# Altium PCB Localization.PcbDoc (continued)
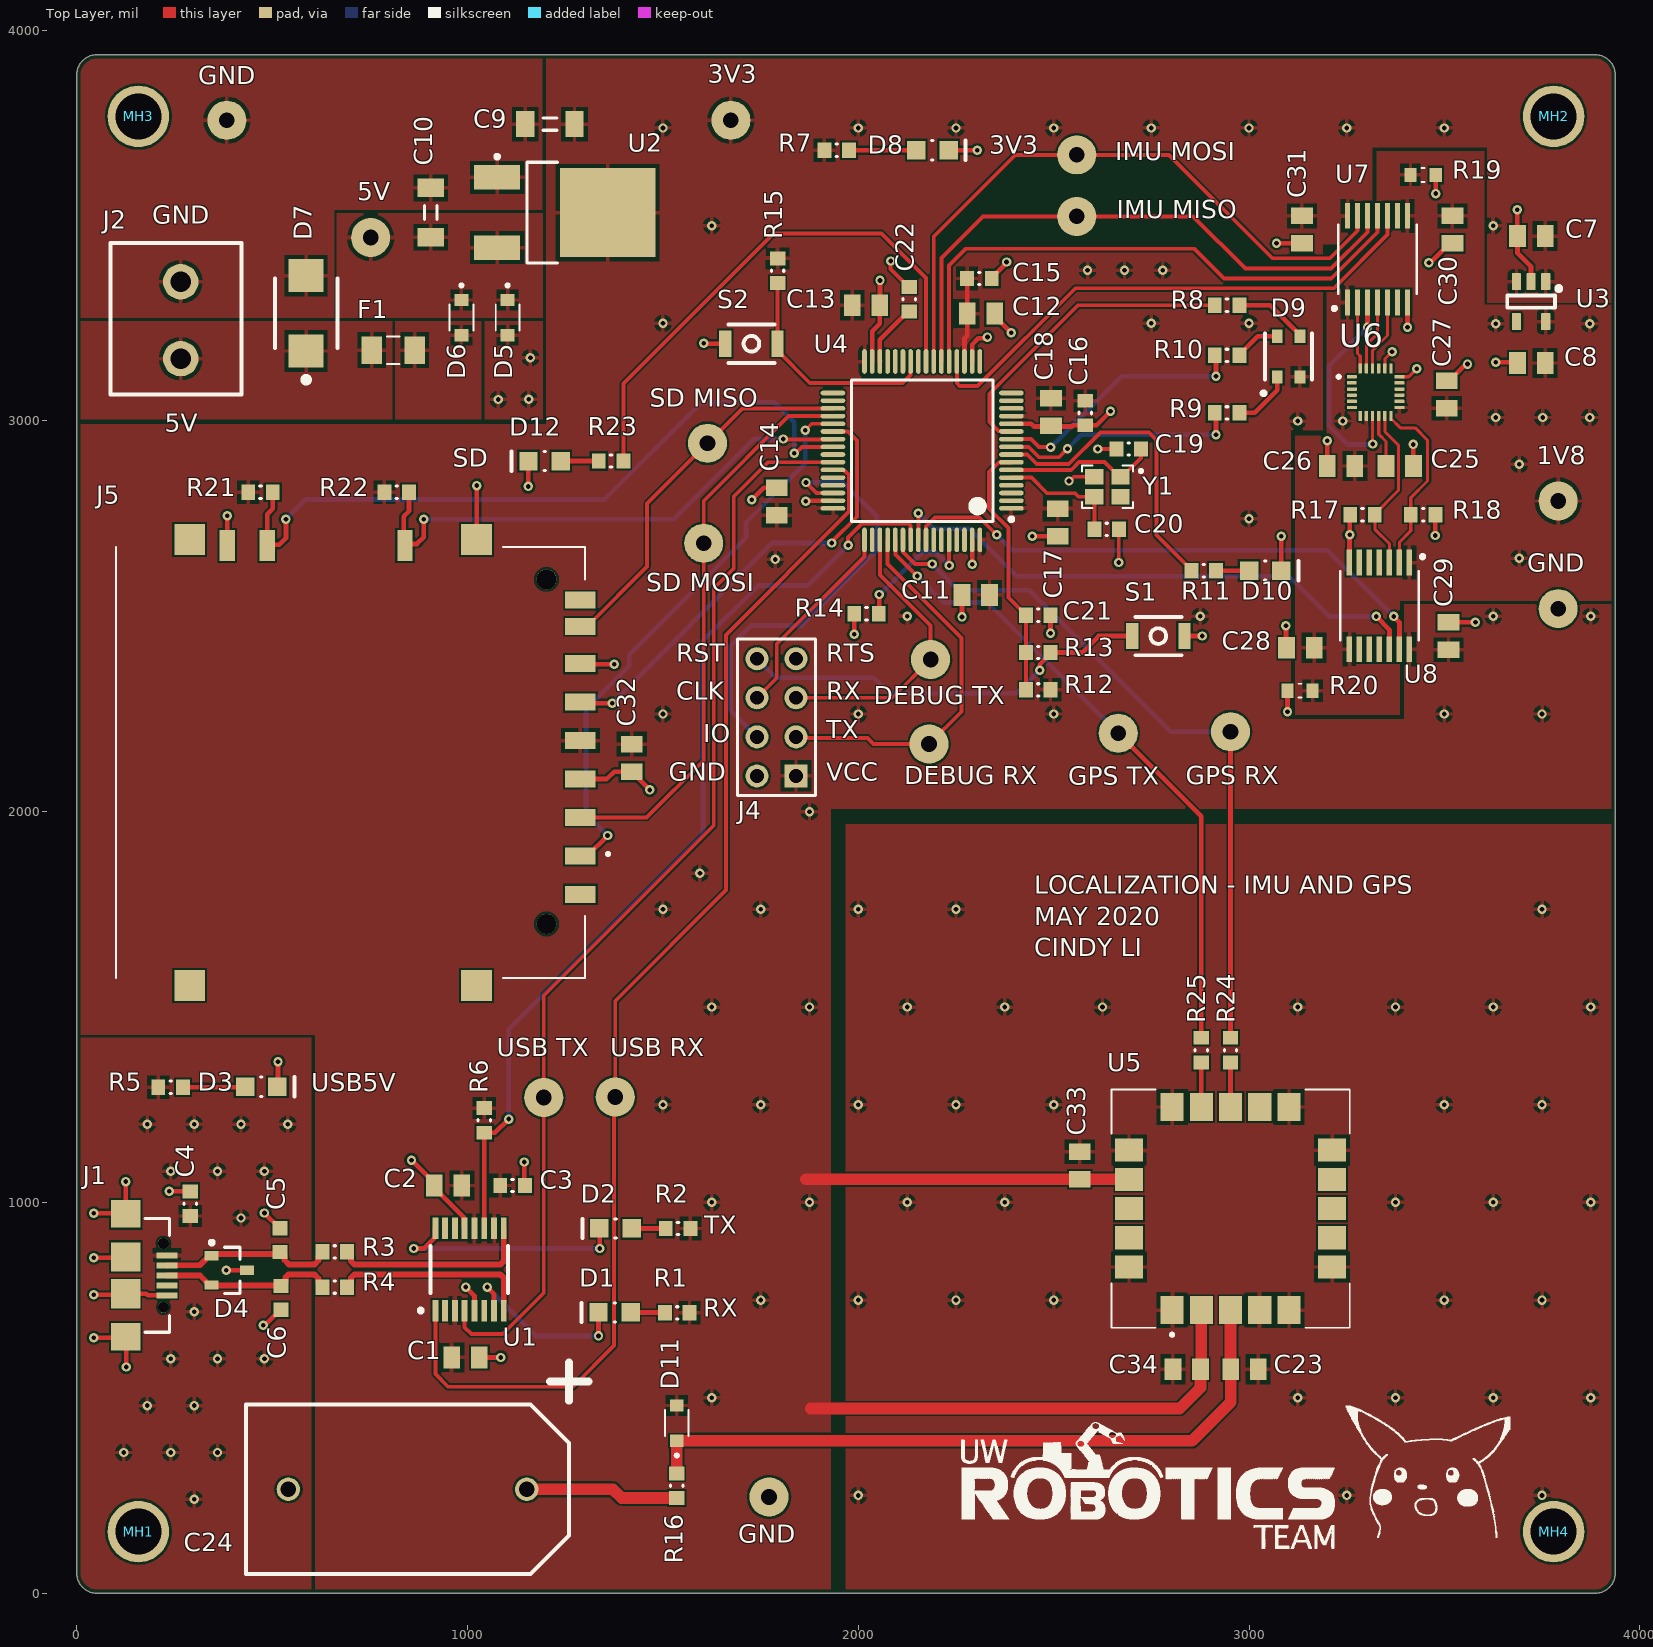
[diagram p0: Top Layer view]
## Footprints (in the part's own frame and the unit in brackets; to place one, negate y for a bottom-side part, rotate by r counter-clockwise, add the part's x,y. Pads: shape width x height; smd on the part's side, far side on the other; paste and mask are expansions set on the pad)
1935161 [mm]
  round 2.3 hole 1.325: 1(-2.5,0) 2(2.5,0)
  silkscreen extent -5.01,-4.57 4.83,3.94, body extent -5.01,-5.06 5.39,3.94, height 11.41
629105136821 [mm] "Micro USB 2.0 SMT Type B Horizontal 5 Contacts"
  rect 0.4x1.35 smd mask+0.102: 1(-1.3,2.675)
  rect 0.4x1.35 smd: 2(-0.65,2.675) 3(0,2.675) 4(0.65,2.675) 5(1.3,2.675)
  round 0.7 hole 0.7 unplated: MH1(-2.075,2.45) MH2(2.075,2.45)
  rect 1.8x1.9 smd: Shell(-4,0) Shell(4,0)
  rect 1.9x1.9 smd: Shell(-1.2,0) Shell(1.2,0)
  silkscreen extent -3.7,1.25 3.7,2.85, body extent -4,-2.73 4,3.17, height 2.69
B3U-1100P [mm] "TACTILE SWITCH GREY"
  rect 0.8x1.7 smd: 1(-1.7,0) 2(1.7,0)
  silkscreen extent -1.5,-1.25 1.5,1.25, body extent -2,-1.25 2,1.25, height 1.6
CAPC0603(1608)55_N [mm] "Chip Capacitor, Body 1.6x0.8mm, Height 0.55mm, IPC Medium Density"
  rect 0.9x1 smd: 1(-0.8,0) 2(0.8,0)
  silkscreen extent -0.05,-0.4 0.05,0.4, body extent -0.87,-0.48 0.88,0.47, height 0.55
CAPC1206(3216) [mm] "Chip Capacitor, Body 3.2x1.6mm, Height 0.55mm, IPC Medium Density"
  rect 1.2x1.7 smd: 1(-1.6,0) 2(1.6,0)
  silkscreen extent -0.45,-0.4 0.45,0.4, body extent -1.6,-0.85 1.6,0.85, height 1.75
CAPC1608X87N [mm]
  rect 0.92x0.97 smd: 1(-0.775,0) 2(0.775,0)
  body extent -0.8,-0.44 0.8,0.43, height 0.79
CAPC2012X140N [mm]
  rect 1.08x1.42 smd: 1(-0.895,0) 2(0.895,0)
  body extent -1,-0.62 1,0.62, height 1.4
DIO_CUS520,H3F [mm]
  rect 0.8x0.9 smd: 1(1.15,0) 2(-1.15,0)
  silkscreen extent -2.2,-0.77 0.85,0.77, body extent -1.25,-0.62 1.25,0.63, height 1.15
FUSC3215X78N [mm]
  rect 1.32x1.8 smd: 1(-1.395,0) 2(1.395,0)
  silkscreen extent -0.41,-0.89 0.41,0.89, body extent -1.7,-0.89 1.7,0.89, height 0.79
HEADER_2X4 [mm]
  rect 1.5x1.5 hole 0.9: 1(0,0)
  round 1.5 hole 0.9: 2(2.54,0) 3(5.08,0) 4(7.62,0) 5(0,2.54) 6(2.54,2.54) 7(5.08,2.54) 8(7.62,2.54)
  silkscreen extent -1.27,-1.27 8.89,3.81, body extent -1.36,-1.32 8.8,3.67, height 8.54
HRS_DM1AA-SF-PEJ(21) [mm]
  rect 1.1x2 smd: 1(6.875,14.95) 2(4.375,14.95) 3(1.875,14.95) 4(-0.625,14.95) 5(-3.125,14.95) 6(-5.625,14.95) 7(-8.05,14.95) 8(-9.75,14.95) 9(9.375,14.95)
  rect 2x1 smd: 10(-13.3,3.55) 11(-13.3,-5.4) 12(-13.3,-8)
  rect 2x2 smd: 13(-13.7,8.2) 14(-13.7,-10.45) 15(15.3,-10.45) 16(15.3,8.2)
  round 1.3 hole 1.3 unplated: ""(-11.1,12.75) ""(11.3,12.75)
  silkscreen extent -13.2,-15.25 14.8,16.85, body extent -14.2,-15.25 15.8,15.25, height 2.9
ICM-20948 [mm] "24-QFN"
  rrect25% 0.64x0.22 smd: 1(-1.55,0.6) 1(-1.545,-1) 1(-1.545,-0.6) 1(-1.545,-0.2) 1(-1.545,0.2) 1(-1.545,1) 1(1.545,-0.6) 1(1.545,-0.2) 1(1.545,0.2) 1(1.545,0.6) 13(1.545,-1) 18(1.545,1)
  rrect25% 0.22x0.64 smd: 7(-1,-1.545) 8(-0.6,-1.545) 9(-0.2,-1.545) 10(0.2,-1.545) 11(0.6,-1.545) 12(1,-1.545) 19(1,1.545) 20(0.6,1.545) 21(0.2,1.545) 22(-0.2,1.545) 23(-0.6,1.545) 24(-1,1.545)
  silkscreen extent -2.5,0.9 -2.3,1.1, body extent -1.5,-1.5 1.5,1.5, height 1.06
LED_0805_LINE [mm] "SMD, 2-Leads, Body 2x1.25mm"
  rect 1.2x1.2 smd: 1(-1.05,0) 2(1.05,0)
  silkscreen extent -0.05,-0.63 2.16,0.64, body extent -1,-0.63 1,0.63, height 0.8
LED_RGB [mm]
  rect 0.7x0.86 smd: 1(-0.737,-1.325) 2(-0.737,1.325) 3(0.738,1.325) 4(0.738,-1.325)
  silkscreen extent -1.75,-2.51 1.53,1.5, body extent -1.4,-1.75 1.4,1.75, height 1.89
LP5907MFX-1.8/NOPB [mm]
  rrect15% 1.1x0.6 smd: 1(-1.3,0.95) 2(-1.3,0) 3(-1.3,-0.95) 4(1.3,-0.95) 5(1.3,0.95)
  silkscreen extent -0.99,-1.55 0.4,1.94, body extent -1.4,-1.45 1.4,1.45, height 1.2
MOUNTING_HOLE#1 [mm]
  round 4 hole 3 unplated: 0(0,0)
MOUNTING_HOLE#2 [mm]
  round 4 hole 3 unplated: 0(-1,-1)
PW14 [mil]
  rect 66x14 smd: 1(-111,76.77) 2(-111,51.18) 3(-111,25.59) 4(-111,0) 5(-111,-25.59) 6(-111,-51.18) 7(-111,-76.77) 8(111,-76.77) 9(111,-51.18) 10(111,-25.59) 11(111,0) 12(111,25.59) 13(111,51.18) 14(111,76.77)
  silkscreen extent -130,-100 88,115, body extent -126,-98 126,98, height 44
RESC0603(1608)_N#1 [mm] "Chip Resistor, Body 1.6x0.8mm, IPC Medium Density"
  rect 0.9x1 smd: 1(-0.8,0) 2(0.8,0)
  silkscreen extent -0.05,-0.4 0.05,0.4, body extent -0.85,-0.47 0.85,0.47, height 0.6
RESC0603(1608)_N#2 [mm] "Chip Resistor, Body 1.6x0.8mm, IPC Medium Density"
  rect 0.9x1 smd: 1(0,0) 2(1.6,0)
  silkscreen extent 0.75,-0.4 0.85,0.4, body extent -0.05,-0.47 1.65,0.47, height 0.6
RESC1608X55N [mm]
  rect 0.79x0.93 smd: 1(-0.82,0) 2(0.82,0)
  silkscreen extent -0.11,-0.45 0.11,0.45, body extent -0.8,-0.4 0.8,0.4, height 0.55
SCMS22C255PRBA0 [mil]
  round 60 hole 39.37: 1(-305.12,0) 2(305.12,0)
  silkscreen extent -463,-325 413,217, body extent -394,-197 394,197, height 866
SOIC254P1016X440-4N [mm]
  rect 1.2x1 smd: 1(-0.85,-0.65) 2(0.85,-0.65) 3(0.85,0.65) 4(-0.85,0.65)
  silkscreen extent -2.27,-1.37 1.65,1.37, body extent -1.24,-0.85 1.24,0.85, height 0.56
SOT23-3 [mm] "SOT23, 3-Leads, Body 2.90x2.30mm, Pitch 0.95mm, IPC Medium Density"
  rect 0.9x0.6 smd: 1(-1.15,0.95) 2(-1.15,-0.95) 3(1.15,0)
  silkscreen extent -1.27,-1.5 0.7,1.92, body extent -1.3,-1.5 1.3,1.5, height 1.1
SSOP16-0.635-5X4MM [mil]
  rect 15x55 smd: 1(-87.5,-105) 2(-62.5,-105) 3(-37.5,-105) 4(-12.5,-105) 5(12.5,-105) 6(37.5,-105) 7(62.5,-105) 8(87.5,-105) 9(87.5,105) 10(62.5,105) 11(37.5,105) 12(12.5,105) 13(-12.5,105) 14(-37.5,105) 15(-62.5,105) 16(-87.5,105)
  silkscreen extent -130,-110 98,60, body extent -99,-122 98,122, height 69
STM-LQFP64_L [mm] "QFP, 64-Leads, Body 10x10mm, Pitch 0.5mm, IPC High Density"
  oval 1.6x0.3 smd: 1(-5.8,3.75) 2(-5.8,3.25) 3(-5.8,2.75) 4(-5.8,2.25) 5(-5.8,1.75) 6(-5.8,1.25) 7(-5.8,0.75) 8(-5.8,0.25) 9(-5.8,-0.25) 10(-5.8,-0.75) 11(-5.8,-1.25) 12(-5.8,-1.75) 13(-5.8,-2.25) 14(-5.8,-2.75) 15(-5.8,-3.25) 16(-5.8,-3.75) 33(5.8,-3.75) 34(5.8,-3.25) 35(5.8,-2.75) 36(5.8,-2.25) 37(5.8,-1.75) 38(5.8,-1.25) 39(5.8,-0.75) 40(5.8,-0.25) 41(5.8,0.25) 42(5.8,0.75) 43(5.8,1.25) 44(5.8,1.75) 45(5.8,2.25) 46(5.8,2.75) 47(5.8,3.25) 48(5.8,3.75)
  oval 0.3x1.6 smd: 17(-3.75,-5.8) 18(-3.25,-5.8) 19(-2.75,-5.8) 20(-2.25,-5.8) 21(-1.75,-5.8) 22(-1.25,-5.8) 23(-0.75,-5.8) 24(-0.25,-5.8) 25(0.25,-5.8) 26(0.75,-5.8) 27(1.25,-5.8) 28(1.75,-5.8) 29(2.25,-5.8) 30(2.75,-5.8) 31(3.25,-5.8) 32(3.75,-5.8) 49(3.75,5.8) 50(3.25,5.8) 51(2.75,5.8) 52(2.25,5.8) 53(1.75,5.8) 54(1.25,5.8) 55(0.75,5.8) 56(0.25,5.8) 57(-0.25,5.8) 58(-0.75,5.8) 59(-1.25,5.8) 60(-1.75,5.8) 61(-2.25,5.8) 62(-2.75,5.8) 63(-3.25,5.8) 64(-3.75,5.8)
  silkscreen extent -5.93,-4.6 4.6,4.6, body extent -5,-5 5,5, height 1.6
TESTPOINT_LOOP [mm]
  round 2.54 hole 1.02: 1(0,0)
  body extent -1.27,-1.27 1.27,1.27, height 4.57
TVS_DIODE_BIDIRECTIONAL [mm]
  rect 2.16x2.26 smd: 1(-2.45,0) 2(2.45,0)
  silkscreen extent -4.5,-2.03 2.25,2.03, body extent -2.7,-1.8 2.7,1.8, height 2.27
VOLTAGE_REGULATOR [mm] "DPAK, 3-Leads, Body 6.095x6.54mm, Pitch 4.57mm"
  rect 1.6x3 smd: 1(-2.285,-2.79) 3(2.285,-2.79)
  rect 5.8x6.2 smd: 2(0,4.39)
  silkscreen extent -3.76,-2.91 3.27,1.14, body extent -3.27,-0.84 3.27,5.25, height 2.38
XCVR_SAM-M8Q [mm]
  rect 1.8x1.5 smd paste-2: 1(-6.6,3.8) 2(-6.6,1.9) 3(-6.6,0) 4(-6.6,-1.9) 5(-6.6,-3.8) 11(6.6,-3.8) 12(6.6,-1.9) 13(6.6,0) 14(6.6,1.9) 15(6.6,3.8)
  rect 1.5x1.8 smd paste-2: 6(-3.8,-6.6) 7(-1.9,-6.6) 8(0,-6.6) 9(1.9,-6.6) 10(3.8,-6.6) 16(3.8,6.6) 17(1.9,6.6) 18(0,6.6) 19(-1.9,6.6) 20(-3.8,6.6)
  silkscreen extent -8.3,-7.75 7.75,7.75, body extent -7.75,-7.75 7.75,7.75, height 6.41

## Part data
1V8 3V3 5V "DEBUG RX" "DEBUG TX" GND GND GND "GPS RX" "GPS TX" "IMU MISO" "IMU MOSI" "SD MISO" "SD MOSI" "USB RX" "USB TX": library part TESTPOINT_LOOP, "Loop testpoint through-hole pad", Manufacturer 1="Keystone Electronics", Manufacturer Part Number 1=5002, Supplier Part Number 1=36-5002-ND, Mount="Through Hole", Supplier 1=Digi-Key
C1 C2 C7 C8 C11 C12 C13 C14 C17 C18 C23 C25 C26 C27 C28 C29 C30 C31 C32 C33 C34: "CAP CER 0.1UF 50V X7R 0805", Capacitance=100nF, Case Code (Imperial)=0805, Case Code (Metric)=2012, Dielectric=X7R, Manufacturer 1="Murata Electronics", Manufacturer Part Number 1=GCD21BR71H104KA01L, Max Operating Temperature=125°C, Min Operating Temperature=-55°C, Ratings=AEC-Q200, Supplier Part Number 1=490-11955-1-ND, Tolerance=10%, Voltage Rating=50V, Case/Package=0805, ComponentLink1Description=https://datasheet.ciiva.com/29537/c03e-29537701.pdf?src-supplier=Digi-Key, ComponentLink1URL=https://datasheet.ciiva.com/29537/c03e-29537701.pdf?src-supplier=Digi-Key, Depth=1.25mm, Height=1.25mm, Length=2mm, Mount="Surface Mount", Supplier 1=Digi-Key, Termination=SMD/SMT, Thickness=0.049inch, Width=0.049inch
C3 C15 C21 C22: "CAP CER 4.7UF 6.3V X5R 0603", Manufacturer 1=Yageo, Manufacturer Part Number 1=CC0603KRX5R5BB475, Package="0603 (1608 Metric)", Supplier Part Number 1=311-1521-1-ND, Temperature Coefficient=X5R, Voltage Rating=6.3V, Dimensions="0.063\" L x 0.031\" W (1.60mm x 0.80mm)", Mount="Surface Mount", Supplier 1=Digi-Key
C4: "CAP CER 10000PF 16V X7R 0603", Manufacturer 1=Yageo, Manufacturer Part Number 1=CC0603KRX7R7BB103, Package="0603 (1608 Metric)", Supplier Part Number 1=311-3369-1-ND, Temperature Coefficient=X7R, Voltage Rating=16V, Dimensions="0.063\" L x 0.031\" W (1.60mm x 0.80mm)", Mount="Surface Mount", Supplier 1=Digi-Key
C5 C6: "CAP CER 47PF 100V C0G/NP0 0603", Manufacturer 1=KEMET, Manufacturer Part Number 1=C0603C470J1GACTU, Package="0603 (1608 Metric)", Supplier Part Number 1=399-7917-1-ND, Temperature Coefficient=C0G, Voltage Rating=100V, Dimensions="0.063\" L x 0.031\" W (1.60mm x 0.80mm)", Mount="Surface Mount", Supplier 1=Digi-Key
C9 C10: library part CAP_10uF_50V_1206, "CAP CER 10UF 50V X5R 1206", Manufacturer 1=Murata, Manufacturer Part Numer 1=GRT31CR61H106KE01L, Package="1206 (3216 Metric)", Supplier Part Number 1=490-12456-1-ND, Voltage Rating=50V, Dimensions="0.126\" L x 0.063\" W (3.20mm x 1.6mm)", Mount="Surface Mount", Supplier 1=Digi-Key
C16: "CAP CER 1UF 16V Y5V 0603", Manufacturer 1=Yageo, Manufacturer Part Number=CC0603ZRY5V7BB105, Package="0603 (1608 Metric)", Supplier Part Number 1=311-1372-1-ND, Temperature Coefficient=Y5V, Voltage Rating=16V, Dimensions="0.063\" L x 0.031\" W (1.60mm x 0.80mm)", Mount="Surface Mount", Supplier 1=Digi-Key
C19 C20: "Cap Ceramic 14pF 50V C0G 5% SMD 0603 125C Cardboard T/R", Capacitance=14pF, Case Code (Imperial)=0603, Case Code (Metric)=1608, Dielectric=C0G, Manufacturer 1=Samsung, Max Operating Temperature=125°C, Min Operating Temperature=-55°C, Package Quantity=1, Supplier Part Number 1=1276-2187-1-ND, Tolerance=5%, Voltage Rating=50V, Case/Package=0603, ComponentLink1Description=https://datasheet.ciiva.com/25782/cl10c140jb8nnnc-25782947.pdf?src-supplier=Digi-Key, ComponentLink1URL=https://datasheet.ciiva.com/25782/cl10c140jb8nnnc-25782947.pdf?src-supplier=Digi-Key, Depth=0.8mm, Height=0.8mm, Length=1.6mm, Manufacturer Part Number 1=CL10C140JB8NNNC, Mount="Surface Mount", Packaging="Tape and Reel", Pricing 1="1=0.10000, 10=0.06700, 100=0.02980, 500=0.02130, 1000=0.01673 (USD)", Radiation Hardening=No, RoHS=Yes, Stock 1=187088, Supplier 1=Digi-Key, Thickness=0.035inch, Voltage Rating (DC)=50V, Width=0.031inch
C24: "CAP 2.5F 5V", Capacitance=2.5F, Case/Package=Radial, Manufacturer 1="AVX Corporation", Manufacturer Part Number 1=SCMS22C255PRBA0, Max Operating Temperature=85°C, Min Operating Temperature=-40°C, Tolerance="0%, +100%", Voltage Rating=5V, Dimensions="0.787\" L x 0.394\" W (20.00mm x 10.00mm)", Height - Seated (Max)="0.925\" (23.50mm)", Mount="Through Hole", RoHS=Yes, Supplier 1=Digi-Key, Voltage Rating (DC)=5V
D1 D8 D10 D12: "LED GREEN DIFFUSED 0805 SMD", Forward Voltage Drop=2.2V, Manufacturer 1=OSRAM, Manufacturer Part Number 1="LG R971-KN-1", Package="0805 (2012 Metric)", Supplier Part Number 1=475-1410-1-ND, Mount="Surface Mount", Supplier 1=Digi-Key
D2: "LED YELLOW DIFFUSED 0805 SMD", Forward Voltage Drop=2.2V, Manufacturer 1=OSRAM, Manufacturer Part Number 1="LY R976-PS-36", Package="0805 (2012 Metric)", Supplier Part Number 1=475-2560-1-ND, Mount="Surface Mount", Supplier 1=Digi-Key
D3: "LED RED DIFFUSED 0805 SMD", Forward Voltage Drop=2V, Manufacturer 1=OSRAM, Manufacturer Part Number 1="LS R976-NR-1", Package="0805 (2012 Metric)", Supplier Part Number 1=475-1278-1-ND, Mount="Surface Mount", Supplier 1=Digi-Key
D4: "ESD Suppressor Diode Arrays 8KV 3-Pin SOT-23 T/R", Breakdown Voltage=7V, Capacitance=0.9pF, Case/Package=SOT-23, Clamping Voltage=8V, Current Rating=100nA, Manufacturer="Texas Instruments", Manufacturer Part Number=TPD2E009DBZR, Max Operating Temperature=85°C, Max Power Dissipation=45W, Min Breakdown Voltage=9V, Min Operating Temperature=-40°C, Operating Supply Voltage=6V, Package Quantity=1, Peak Pulse Current=1A, Power Line Protection=Yes, Reverse Standoff Voltage=5.5V, Supplier Part Number 1=296-24657-1-ND, Category="Interface ICs", ComponentLink1Description=https://datasheet.ciiva.com/353/tpd2e009-353266.pdf?src-supplier=Digi-Key, ComponentLink1URL=https://datasheet.ciiva.com/353/tpd2e009-353266.pdf?src-supplier=Digi-Key, ComponentLink2Description=https://datasheet.ciiva.com/15134/getdatasheetpartid-243395-15134537.pdf?src-supplier=Verical, ComponentLink2URL=https://datasheet.ciiva.com/15134/getdatasheetpartid-243395-15134537.pdf?src-supplier=Verical, ComponentLink3Description=https://datasheet.ciiva.com/4479/slvs953a-121037-4479453.pdf?src-supplier=Mouser, ComponentLink3URL=https://datasheet.ciiva.com/4479/slvs953a-121037-4479453.pdf?src-supplier=Mouser, ComponentLink4Description=https://datasheet.ciiva.com/353/tpd2e009-353268.pdf?src-supplier=Digi-Key, ComponentLink4URL=https://datasheet.ciiva.com/353/tpd2e009-353268.pdf?src-supplier=Digi-Key, ComponentLink5Description=https://datasheet.ciiva.com/353/tpd2e009-353267.pdf?src-supplier=Digi-Key, ComponentLink5URL=https://datasheet.ciiva.com/353/tpd2e009-353267.pdf?src-supplier=Digi-Key, ComponentLink6Description=https://datasheet.ciiva.com/46384/1707898-46384524.pdf?src-supplier=Element14, ComponentLink6URL=https://datasheet.ciiva.com/46384/1707898-46384524.pdf?src-supplier=Element14, Depth=1.3mm, Direction=Unidirectional, Element Configuration=Dual, Height=1mm, Interface=LVDS,PCIe,SATA, Lead Free="Lead Free", Length=2.92mm, Number of Bidirectional Channels=2, Number of Channels=2, Number of Pins=3, Packaging="Tape and Reel", Peak Pulse Power=45W, Pricing 1="1=0.56000, 10=0.48000, 25=0.44800, 100=0.33280, 250=0.31616, 500=0.25984, 1000=0.21120 (USD)", Radiation Hardening=No, REACH SVHC="No SVHC", RoHS=Yes, Stock 1=98615, Supplier 1=Digi-Key, Termination=SMD/SMT, Width=1.3mm, Working Voltage=5.5V
D5 D6 D11: "DIODE SCHOTTKY 30V 800MA USC", Manufacturer 1="Toshiba Semiconductor and Storage", Manufacturer Part Number 1=CUS08F30,H3F, Supplier Part Number 1=CUS08F30H3FCT-ND, Io=800mA, Mount="Surface Mount", Supplier 1=Digi-Key, Vf (Max)=220mV, Vr (Max)=30V
D7: "TVS DIODE 5V 9.2V DO214AA", Breakdown Voltage=6.4V, Clamping Voltage=9.2V, Manufacturer 1=Littelfuse, Manufacturer Part Number 1=SMBJ5.0CA, Max Breakdown Voltage=7V, Max Operating Temperature=150°C, Max Surge Current=65.3A, Min Operating Temperature=-65°C, Package="DO-214AA, SMB", Peak Pulse Power=600W, Reverse Standoff Voltage=5V, Supplier Part Number 1=SMBJ5.0CALFCT-ND, ComponentLink1Description=Datasheet, ComponentLink1URL=https://www.littelfuse.com/~/media/electronics/datasheets/tvs_diodes/littelfuse_tvs_diode_smbj_datasheet.pdf.pdf, Composition=Zener, Direction=Bidirectional, ESD Protection=Yes, Min Breakdown Voltage=6.4V, Mount="Surface Mount", Peak Pulse Current=65.3A, Polarity=Bidirectional, Power Dissipation=600W, Reverse Breakdown Voltage=6.4V, Supplier 1=Digi-Key
D9: "LED RGB DIFFUSED 4PLCC SMD", Case/Package=PLCC, Color=Blue,Green,Red, Forward Voltage=3.1V, Lens Color=White, Manufacturer 1=Broadcom, Manufacturer Part Number 1=ASMB-MTB1-0A3A2, Supplier Part Number 1=516-3280-1-ND, Test Current=20mA, ComponentLink1Description=http://www.farnell.com/datasheets/2111106.pdf?src-supplier=Farnell, ComponentLink1URL=http://www.farnell.com/datasheets/2111106.pdf?src-supplier=Farnell, ComponentLink2Description=https://docs.broadcom.com/docs/AV02-4194EN?src-supplier=Digi-Key, ComponentLink2URL=https://docs.broadcom.com/docs/AV02-4194EN?src-supplier=Digi-Key, ComponentLink3Description=http://www.farnell.com/datasheets/1801564.pdf?src-supplier=Element14, ComponentLink3URL=http://www.farnell.com/datasheets/1801564.pdf?src-supplier=Element14, ComponentLink4Description=http://www.farnell.com/datasheets/2111106.pdf?src-supplier=Newark, ComponentLink4URL=http://www.farnell.com/datasheets/2111106.pdf?src-supplier=Newark, Dominant Wavelength=470nm, Height=1.9mm, Length=3.2mm, Lens Style=Round, Lens Transparency=Diffused, Luminous Intensity=350mcd, Mount="Surface Mount", Number of Pins=4, Packaging="Cut Tape", Pricing 1="1=0.60000, 10=0.47100, 100=0.30210, 500=0.25980, 1000=0.20059 (USD)", REACH SVHC="No SVHC", RoHS=Yes, Stock 1=142531, Supplier 1=Digi-Key, Viewing Angle=115°, Width=2.8mm
F1: "FUSE BOARD MOUNT 1A 125VAC 63VDC", Current Rating=1A, Manufacturer 1="Bel Fuse Inc.", Manufacturer Part Number 1="C1Q 1", Supplier Part Number 1=507-1077-1-ND, Voltage Rating DC=63V, Mount="Surface Mount", Supplier 1=Digi-Key
J1: library part "WE 629105136821", "Micro USB 2.0 Type B Receptacle WR-COM, Horizontal, SMT, with Pads and Pegs", Contact Resistance=30mOhm, Manufacturer="Wurth Elektronik", Operating Temperature=-40to105degC, Rated Current=1A, Working Voltage=30VAC, Connector Type=MicroUSB2.0TypeB, Datasheet URL=https://katalog.we-online.de/em/datasheet/629105136821.pdf, Gender=Receptacle, Manufacturer URL=http://www.we-online.de, Mounting Technology=SMT, Orientation=Horizontal, Package Reference=629105136821, Packaging=TapeandReel, Part Number=629105136821, Publisher=WurthElektronik
J2: "TERM BLK 2POS SIDE ENTRY 5MM", Color=Green, Current=18A, Current Rating=17.5A, Flammability Rating="UL94 V-0", Manufacturer 1="Phoenix Contact", Manufacturer Part Number 1=1935161, Max Current Rating=16A, Max Supply Voltage=250V, Package Quantity=250, Supplier Part Number 1=277-1667-ND, Voltage=300V, Voltage Rating (DC)=320V, Approvals=UL, ComponentLink1Description=https://datasheet.ciiva.com/15169/getdatasheetpartid-177903-15169663.pdf?src-supplier=Verical, ComponentLink1URL=https://datasheet.ciiva.com/15169/getdatasheetpartid-177903-15169663.pdf?src-supplier=Verical, ComponentLink2Description=https://datasheet.ciiva.com/16047/1935161-16047247.pdf?src-supplier=Onlinecomponents.com, ComponentLink2URL=https://datasheet.ciiva.com/16047/1935161-16047247.pdf?src-supplier=Onlinecomponents.com, ComponentLink3Description=https://datasheet.ciiva.com/824/combiconcompact5-0mmseries-824222.pdf?src-supplier=Digi-Key, ComponentLink3URL=https://datasheet.ciiva.com/824/combiconcompact5-0mmseries-824222.pdf?src-supplier=Digi-Key, Connector Type=Screw, Contact Material=Copper,Tin, Depth=9mm, Height=11.3mm, Housing Color=Green, Housing Material=Polyamide, Insulation Material=Nylon, Lead Free="Lead Free", Length=9mm, Material=Nylon, Mount="Through Hole", Number of Circuits=2, Number of Contacts=2, Number of Levels=1, Number of Pins=2, Number of Poles=2, Number of Positions=2, Number of Positions Per Level=2, Number of Rows=1, Orientation=Straight, Packaging=Bulk, Pitch=5mm, Pricing 1="1=0.43000, 10=0.41100, 50=0.39280, 100=0.38200, 250=0.35700, 500=0.32844, 1000=0.30350 (USD)", Radiation Hardening=No, REACH SVHC=Unknown, RoHS=Yes, Stock 1=15494, Supplier 1=Digi-Key, Termination=Solder, Voltage Rating=250V, Weight=0.067021oz, Width=14.9mm, Wire Gauge (Max)=26AWG, Wire Gauge (Min)=12AWG, Wire/Cable Gauge=26AWG
J4: "CONN HEADER VERT 8POS 2.54MM", Manufacturer 1="Harwin Inc.", Manufacturer Part Number 1=M20-9980445, Supplier Part Number 1=952-2122-ND, Mount="Through Hole", Supplier 1=Digi-Key
J5: "12 _9 + 3_ Position Card Connector Secure Digital - SD Surface Mount, Right Angle Gold", Manufacturer 1="Hirose Electric Co Ltd", Manufacturer Part Number 1=DM1AA-SF-PEJ(21), Supplier Part Number 1=HR845CT-ND, Card Type=SD, Mount="Surface Mount", Supplier 1=Digi-Key
MH1 MH2 MH3 MH4: "6cm x 6cm"
R1 R2 R5 R13 R16: "RES SMD 1K OHM 5% 1/10W 0603", Manufacturer 1=Yageo, Manufacturer Part Number 1=RC0603JR-071KL, Package="0603 (1608 Metric)", Supplier Part Number 1=311-1.0KGRCT-ND, Tolerance=5%, Dimensions="0.063\" L x 0.031\" W (1.60mm x 0.80mm)", Mount="Surface Mount", Supplier 1=Digi-Key
R3 R4: "RES SMD 27 OHM 5% 1/10W 0603", Case Code (Imperial)=0603, Case Code (Metric)=1608, Manufacturer=Yageo, Manufacturer Part Number=RC0603JR-0727RL, Max Operating Temperature=155°C, Min Operating Temperature=-55°C, Power Rating=100mW, Resistance=27R, Supplier Part Number 1=311-27GRCT-ND, Temperature Coefficient=100ppm/°C, Tolerance=5%, Voltage Rating=50V, Case/Package=0603, Category="Chip SMD Resistors", ComponentLink1Description=https://datasheet.ciiva.com/7746/443971-7746479.pdf?src-supplier=Element14, ComponentLink1URL=https://datasheet.ciiva.com/7746/443971-7746479.pdf?src-supplier=Element14, Composition="Thick Film", Depth=0.8mm, Lead Free="Lead Free", Length=1.6mm, Military Standard=Not, Number of Pins=2, Packaging="Tape and Reel", Pricing 1="1=0.10000, 10=0.01900, 100=0.00770, 1000=0.00347, 2500=0.00301 (USD)", REACH SVHC="No SVHC", RoHS=Yes, Stock 1=2055343, Supplier 1=Digi-Key, Termination=SMD/SMT, Voltage Rating (DC)=50V, Width=0.8mm
R6 R12 R14 R15 R17 R18 R21 R22: "RES SMD 10K OHM 5% 1/10W 0603", Manufacturer 1=Yageo, Manufacturer Part Number 1=RC0603JR-0710KL, Package="0603 (1608 Metric)", Supplier Part Number 1=311-10KGRCT-ND, Tolerance=5%, Dimensions="0.063\" L x 0.031\" W (1.60mm x 0.80mm)", Mount="Surface Mount", Supplier 1=Digi-Key